# Altium PCB PCB_Incense.PcbDoc (part 2 of 3)
Units mil, origin at the board's own origin, x right, y up, seen from the top; angles counter-clockwise.
Board outline 5905.51 x 4960.63 mil, 2 copper layers (Top Layer, Bottom Layer), stack 61.89 mil thick; 323 components, 237 nets, 1107 pads, 546 vias.
Unrouted connection lines stored in the file: 3.
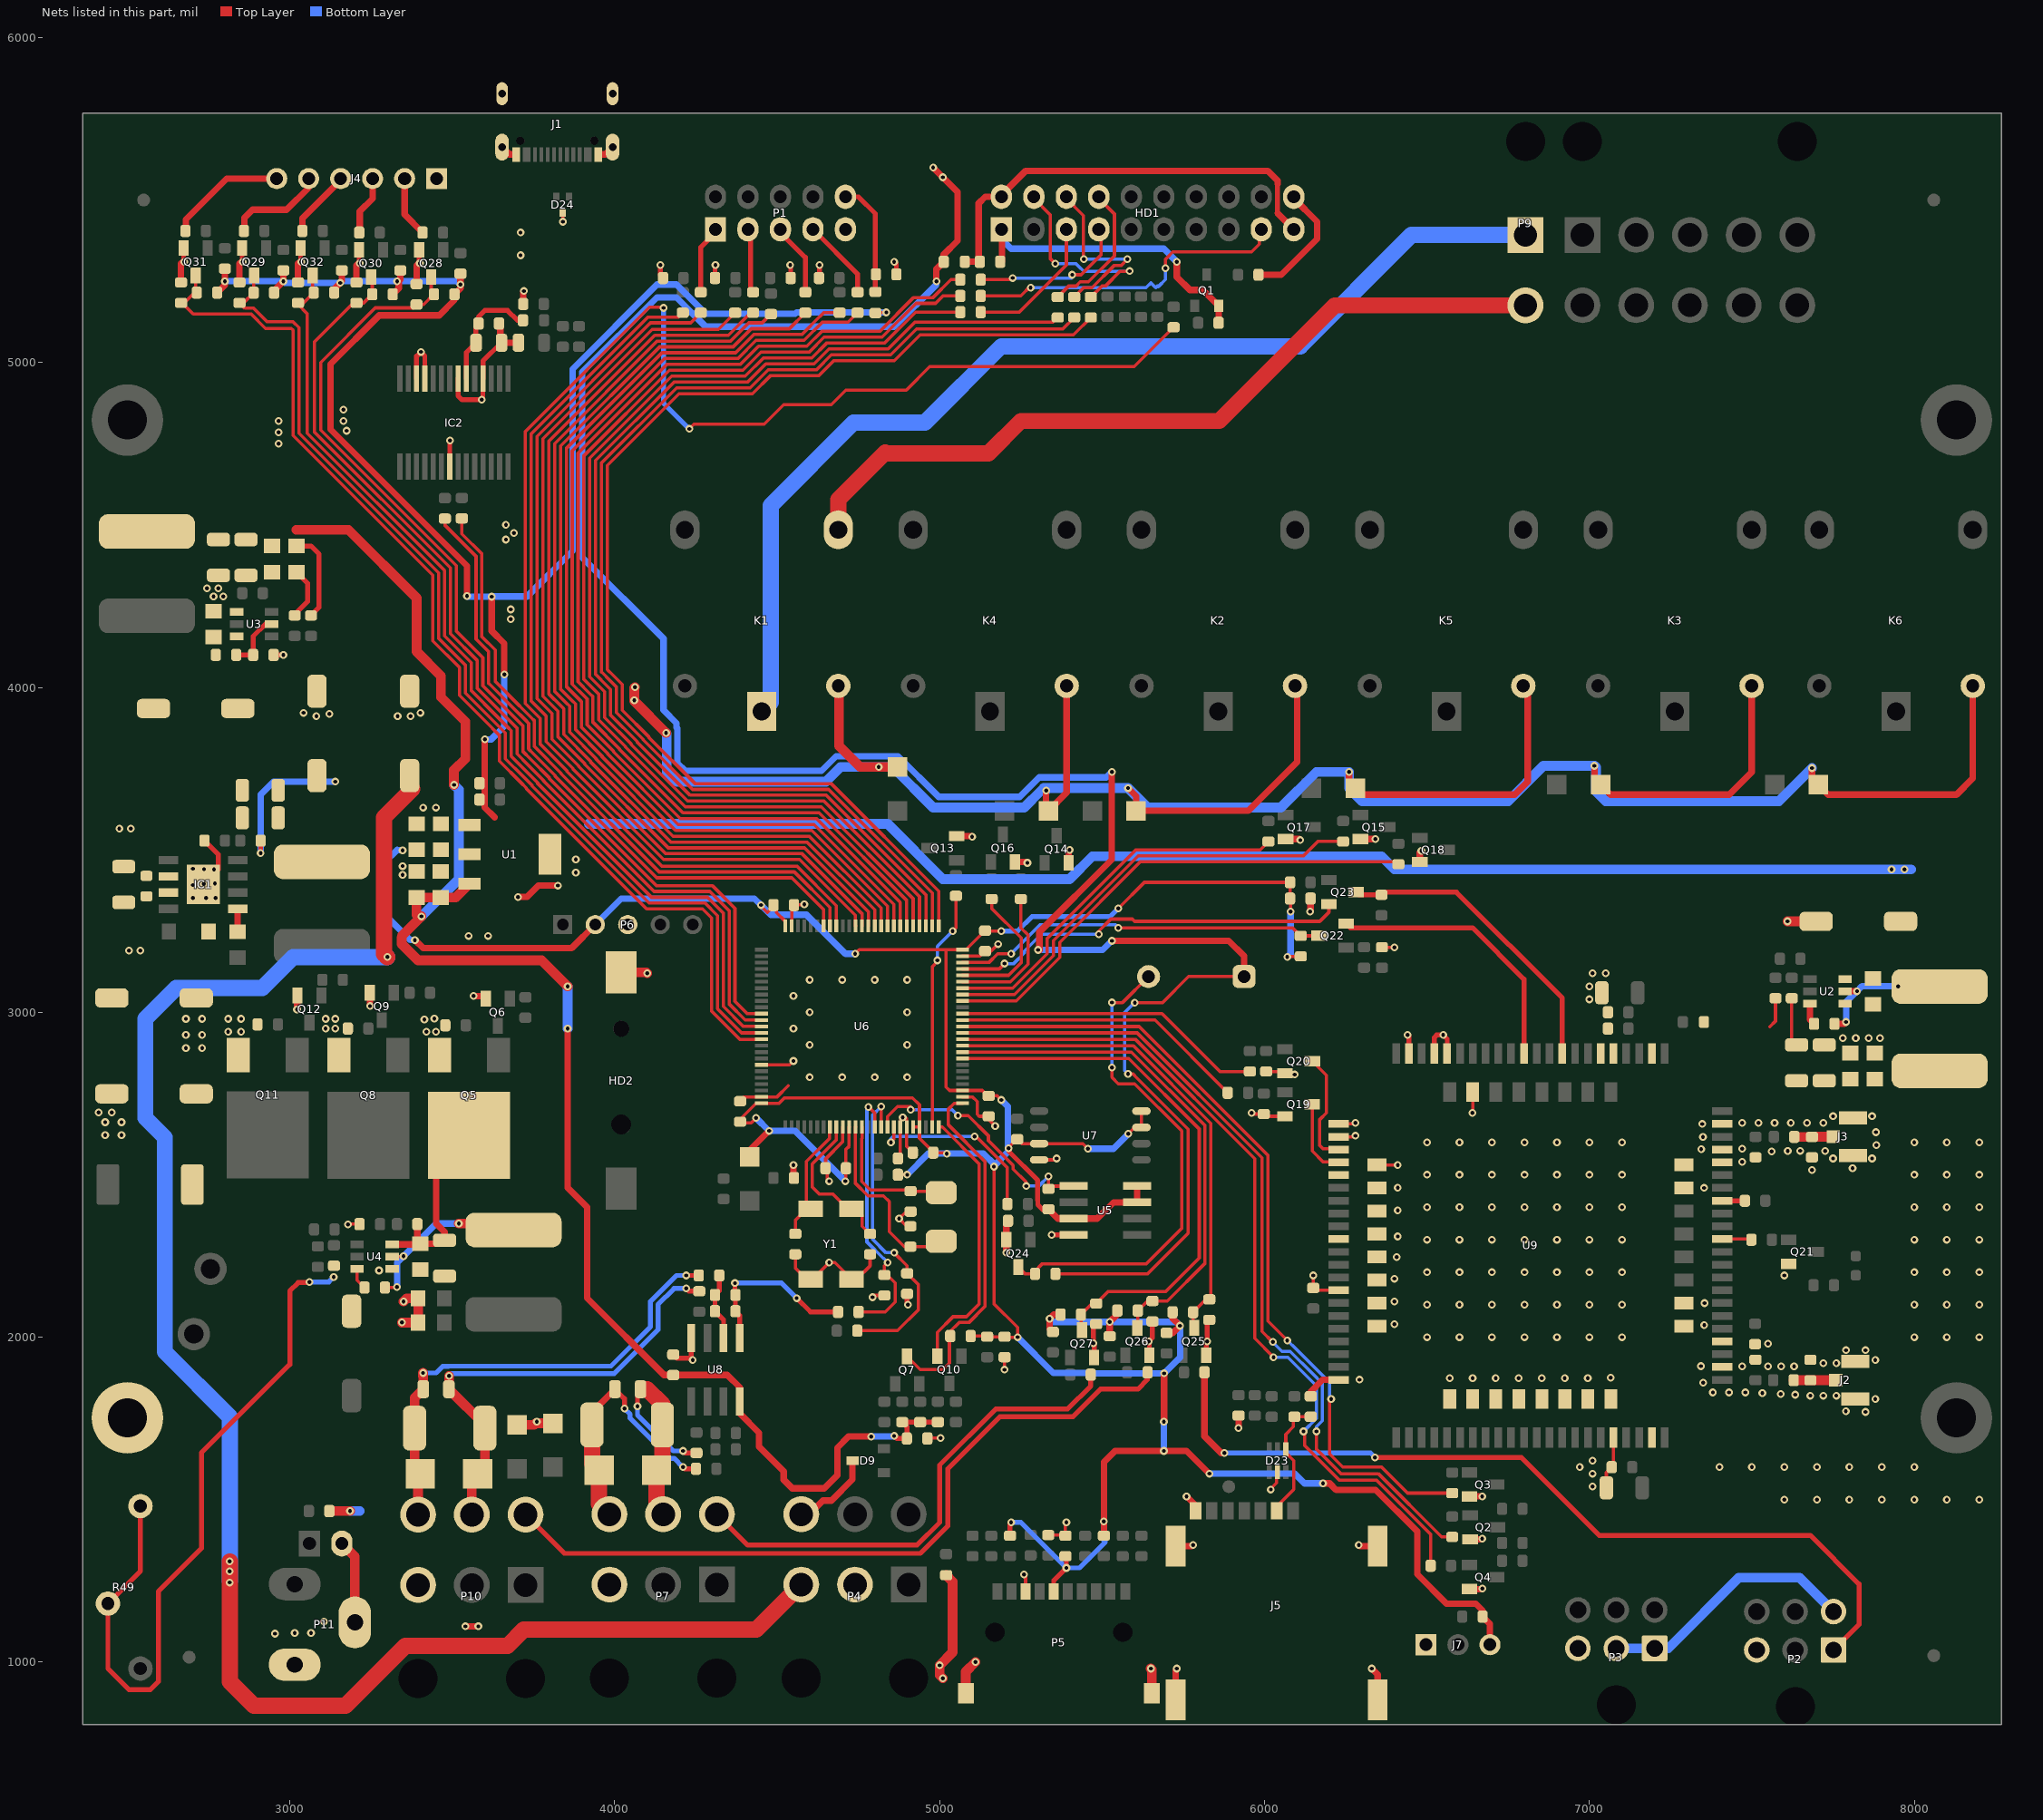
[diagram p2: the nets of this part, all layers, seen from the top]

## Part data (continued)
R99 R103: library part Res0.3, "RES SMD 0 OHM JUMPER 1/10W 0603", MANUFACTURER1=Yageo, MANUFACTURER1_PART#=RC0603JR-070RL, MANUFACTURER2="Stackpole Electronics Inc", MANUFACTURER2_PART#=RMCF0603ZT0R00, Power=0.25W, Tolerance=5%, Category="RES SMD", PACKING="Tape & Reel (TR)", PCB Footprint=0603, Process Type=SM, UNIT=PCS
R127 R128: library part Res0.3, "RES SMD 0.05 OHM 1% 1W 2512", MANUFACTURER1="TE Connectivity Passive Product", MANUFACTURER1_PART#=TLRP3A30CR050FTE, Category="RES SMD", MANUFACTURER2_PART#=https://banlinhkien.com/tro-2512-1-r0500.05r-1w-p6652906.html, PACKING="Tape & Reel (TR)", PCB Footprint=2512, Process Type=SM, UNIT=PCS
TP1: "TEST POINT"
U1: library part LM1117, "LDO, LM1117MPX-3.3V"
U2 U3 U4: library part IC_TPS54302DDCR, "IC REG BUCK ADJ 3A TSOT23-6,TPS54302DDCR", MANUFACTURER1="Texas Instruments", PACKAGE=TSOT23-6, BY=VINFAST_RD, Category=IC, DISTR1=DIGIKEY, DISTR1_PART#=296-46237-1-ND, MANUFACTURER1_PART#=TPS54302DDCR, MFG1="Texas Instruments", MFG1_PART#=TPS54302DDCR, PROCESS=SM, TYPE=IC, VFCODE=TPS54302DDCR
U5: library part "IC Flash W25Q16JVSNIQ QUAD SO8", "IC FRAM 128KBIT SPI 33MHZ 8SOP", MANUFACTURER1=Fujitsu, VOLTAGE="2.7V ~ 3.6V", Category=IC, MANUFACTURER1_PART#=MB85RS128TYPNF-GS-BCERE1, PACKING="Tape & Reel (TR)", PCB Footprint=SO8, Process Type=SM, UNIT=PCS
U6: "IC MCU 32BIT 512KB FLASH 100LQFP", MANUFACTURER1=STMicroelectronics, MANUFACTURER1_PART#=STM32F103VET6
U7: library part "IC Flash W25Q16JVSNIQ QUAD SO8", "IC FLASH 32MBIT SPI/QUAD 8SOIC", MANUFACTURER1="Winbond Electronics", VOLTAGE="2.7V ~ 3.6V", Category=IC, INTERFACE="QUARD SPI", MANUFACTURER1_PART#=W25Q32JVSSIQ, PACKING="Tape & Reel (TR)", PCB Footprint=SO8, Process Type=SM, UNIT=PCS
U8: library part LM358, "IC OPAMP GP 2 CIRCUIT 8SOIC", MANUFACTURER1="Texas Instruments", MANUFACTURER1_PART#=LM358BAIDR, MANUFACTURER2="ON Semiconductor", MANUFACTURER2_PART#=LM358DR2G, Category=IC, UNIT=PCS
U9: library part SIM7600C_L1, "MODULE 4G SIM7600C_L1", MANUFACTURER1=SIMCOM, MANUFACTURER1_PART#=A7600C-L1
Y1: library part XT4_32.768KHZ, "CRYSTAL 32.7680KHZ 12.5PF SMD", Frequency="32.768 kHz", Frequency Tolerance=±20ppm, Load Capacitance=12.5pF, MANUFACTURER1=TDK, MANUFACTURER1_PART#="TKD M8-32.768KHZ-12.5PF-20PPM", Category=CRYSTAL, ESR="65 kOhms", SIZE="0.264\" L x 0.059\" W (6.70mm x 1.50mm)"
Y2: library part XTAL, "CRYSTAL 8.000MHZ 18PF SMD", MANUFACTURER1="Abracon LLC", MANUFACTURER1_PART#=ABM3-8.000MHZ-J4Q-T, LatestRevisionDate=17-Jul-2002, LatestRevisionNote="Re-released for DXP Platform.", MANUFACTURER2_PART#=https://banlinhkien.com/thach-anh-8mhz-smd5032-p6653646.html, PackageDescription="Crystal, Thru-Hole; 2 Leads; Body 3.1 x 8.2 mm (Dia.xH)", PackageReference=R38, Published=8-Jun-2000, Publisher="Altium Limited"

## Free pads (board coordinates)
  round 220 hole 120: 5(2500,4822.83) 6(2500,1751.97) 7(8129.92,1751.97) 8(8129.92,4822.83)
  round 40 smd mask+40: 9(2550,5500) 9(2690,1015) 9(8060,1020) 9(8060,5500)

## Via types
v1: diameter 24, hole 12, Top Layer to Bottom Layer, tented both sides, 546 vias

## Nets (pads, with @x,y where several pads share a name; then routed paths per layer and width w, separated by ;. In a path a pad name is that pad's centre, name@x,y a point inside that pad or via, vN(x,y) a via of type N, cw(c..) or ccw(c..) an arc to the next point about the centre after c; other vN are vias at no path point)
3V3: C17.1 C18.1 C40.2 C60.2 C62.2 C65.1 C68.1 C69.1 C71.2 C73.1 C74.1 D4.1 F2.1 J7.3 P5.4 P6.2 R6.1 R8.1 R10.2 R11.2 R15.2 R22.1 R23.2 R28.1 R30.1 R31.2 R55.1 R56.1 R64.2 R67.1 R68.1 R69.2 R71.2 R73.1 R74.2 R80.1 R81.1 R82.1 R102.1 R104.1 R106.1 R107.1 R108.1 R110.1 U1.2 U1.4 U5.3 U5.7 U5.8 U6.11 U6.21 U6.22 U6.28 U6.50 U6.75 U6.100 U7.3 U7.7 U7.8 | length 17665.9
  Top Layer w10: C74.1@4385.83,2663.26 4389.09,2660 4420,2660 v1(4435,2675) ; C74.1@4385.83,2664.17 4385.83,2670.83 4435.04,2720.04 U6.100@4451.18,2720.04 4505.5,2720.04 4522,2736.54 4916.45,2736.54 4937.99,2715 U6.22@4937.99,2646.61 ; v1(4450,3330) 4450,3326.99 4470,3306.99 4488.5,3325.49 C73.1@4488.5,3330 4497.48,3321.03 4497.48,3307.13 4524.61,3280 U6.75@4524.61,3265.91 ; v1(4710,2480) 4711.5,2481.5 C69.1@4711.5,2520 4711.5,2578.02 4721.46,2587.98 4721.46,2646.47 U6.11@4721.53,2646.54 ; v1(4740,3180) 4752.48,3192.48 5020,3192.48 ; F2.1@4802.36,5152.24 4803.29,5153.17 4834.98,5153.17 v1(4835.91,5154.09) ; R110.1@4871.5,2500 v1(4900,2500) ; U6.21@4918.31,2646.61 U6.22@4937.99,2646.61 ; v1(5021.88,2564.93) 5022.24,2565.29 5022.24,2567.76 5021.95,2568.05 C65.1@4980.32,2568.05 4980.32,2569.68 4937.99,2612.01 U6.22@4937.99,2646.61 ; R55.1@5095.41,2003.49 5144.18,2003.49 R56.1@5146.22,2001.45 5199.95,2001.45 C40.2@5200,2001.49 5201.49,2000 v1(5240,2000) 5240,2030 5167,2103 v1(5167,2524.82) ; v1(5190,2730) 5177.25,2742.75 C62.2@5150.83,2742.75 5147.92,2742.75 5131.27,2759.41 U6.28@5070.47,2759.41 5030.59,2759.41 5020,2770 5020,3192.48 ; v1(5190,3250) 5141.49,3250 C71.2@5140,3251.49 5080.99,3192.48 U6.50@5070.47,3192.48 5020,3192.48 ; v1(5211.82,2581.82) 5211.82,2583.8 5237.34,2609.33 R106.1@5238.74,2609.33 5252.24,2595.83 U7.3@5306.26,2595.83 5440.99,2595.83 v1(5456.71,2580.11) ; v1(5550,3320) 5630,3400 R104.1@6078.5,3400 C60.2@6078.51,3350 6080,3348.51 v1(6080,3310) ; v1(5580.52,2625.86) 5600.48,2645.83 U7.7@5621.22,2645.83 U7.8@5621.22,2695.83 ; v1(6070,3170) 6072.24,3172.24 R102.1@6111.38,3172.24
  Top Layer w15: v1(5211.82,2581.82) 5213.54,2580.1 5213.54,2570.91 5301.8,2482.65 5301.8,2422.83 5302,2422.63 5302,2408.07 5316.56,2393.5 R80.1@5335,2393.5 ; R108.1@5216.74,1388.93 5216.74,1426.74 v1(5220,1430) ; P5.4@5351.18,1217.44 5351.18,1251.18 v1(5390,1290) 5390,1323.09 C68.1@5387.15,1325.94
  Top Layer w20: R68.1@2776.5,5215 2800,5238.5 R71.2@2800,5288.51 ; R30.1@2951.5,5215 2951.5,5221.5 v1(2980,5250) R64.2@2980,5283.51 ; R73.1@3136.5,5215 3136.5,5226.5 v1(3155,5245) 3160,5250 R74.2@3160,5283.51 ; R67.1@3316.5,5210 3335,5228.5 3335,5250 3340,5255 R69.2@3340,5283.51 ; v1(3384.6,3222.27) 3385.68,3222.27 3409.95,3198 3868,3198 P6.2@3940,3270 ; R31.2@3525,5273.51 3525,5228.5 R28.1@3506.5,5210 3506.5,5191.5 3460,5145 3275,5145 3125,4995 3125,4794.35 3545.04,4374.31 v1(3545.04,4281.05) ; v1(3600,3840) 3600,3630 3630,3600 ; v1(3621.35,4279.01) 3621.35,4173.65 3660,4135 v1(3660,4040) ; D4.1@4415,2555 4415,2575 v1(4475,2635) ; R80.1@5335,2393.5 5363.5,2365 U5.3@5412.56,2365 5485,2365 5535,2415 U5.7@5607.44,2415 U5.8@5607.44,2465 ; R23.2@5348.5,2016.23 5338.5,2026.23 v1(5338.5,2056.75) 5351.49,2069.74 R22.1@5372,2069.74 ; R107.1@5505.62,1388.93 5505.62,1615.62 5540,1650 v1(5690,1650) 5760,1650 v1(5830,1580) ; R11.2@5523.5,2003.24 v1(5523.5,2046.75) 5547,2070.25 R8.1@5547,2081.75 ; v1(5690,1740) 5690.89,1740.89 v1(5690.89,1888.77) ; R10.2@5698.5,2013.24 5718.24,2013.24 v1(5740,2035) 5717,2058 R6.1@5717,2076.75 ; v1(6180,1550) 6200,1550 6220,1530 6342.02,1530 6470,1402.02 6470,1270 6560,1180 6650,1180 6671.49,1158.51 R15.2@6671.49,1140 6693.82,1117.67 J7.3@6693.82,1053.58
  Bottom Layer w15: v1(5190,3250) 5240,3250 5285,3295 5525,3295 v1(5550,3320) ; v1(5220,1430) 5250,1430 v1(5390,1290) 5430,1290 5510,1370 5505.47,1374.53 v1(5505.47,1432.64)
  Bottom Layer w20: v1(2800,5250) v1(2980,5250) 2985,5245 v1(3155,5245) 3160,5250 v1(3330,5250) 3515,5250 v1(3525,5240) ; v1(3347,3498.71) 3331.29,3498.71 3330,3500 3290,3460 3290,3302.77 3370.49,3222.27 v1(3384.6,3222.27) ; v1(3545.04,4281.05) 3547.09,4279.01 v1(3621.35,4279.01) 3728.7,4279.01 ; v1(3600,3840) 3620,3840 3660,3880 v1(3660,4040) ; v1@3621.35,4280 3730,4280 ; P6.2@3940,3270 4020,3350 4430,3350 v1(4450,3330) 4480,3300 4590,3300 4710,3180 v1(4740,3180) ; v1(4435,2675) v1(4475,2635) 4555,2635 v1(4710,2480) ; v1(4835.91,5154.09) 4559.46,5154.09 4555.37,5150 4280,5150 4190,5240 4130,5240 3870,4980 3870,4420 3730,4280 ; v1(4900,2500) 4965.29,2565.29 5021.52,2565.29 v1(5021.88,2564.93) ; v1@5022.24,2565.29 5134.71,2565.29 v1@5170,2530 ; v1(5167,2524.82) 5170,2527.82 v1@5170,2530 ; v1(5190,2730) 5210,2710 v1@5210,2580 ; v1(5211.82,2581.82) 5211.05,2581.05 5211.05,2571.05 v1@5170,2530 ; v1(5240,2000) 5350,1890 5470,1890 5471.23,1888.77 v1(5690.89,1888.77) 5740,1937.88 v1(5740,2035) 5728.25,2046.75 v1(5523.5,2046.75) 5348.5,2046.75 v1(5338.5,2056.75) ; v1(5456.71,2580.11) 5535.11,2580.11 5580.52,2625.52 v1(5580.52,2625.86) ; v1(5690,1650) v1(5690,1740) ; v1(5830,1580) 6092.63,1580 6122.63,1550 v1(6180,1550) ; v1(6070,3170) 6080,3180 v1(6080,3310) ; 3728.7,4279.01 3729.01,4279.01 ; 3728.7,4279.01 3728.85,4278.85 3729.01,4279.01 ; 3729.01,4279.01 3730,4280
4G_KEY: Q20.3 U9.3 | length 348.2
  Top Layer w10: Q20.3@6146.93,2849.37 6190,2806.3 6190,2690 6170,2670 6170,2590 6180,2580 6225.08,2580 U9.3@6227.56,2577.52
4G_RST: Q19.3 U9.4 | length 238.9
  Top Layer w10: Q19.3@6146.76,2716.81 6146.76,2573.24 6180,2540 6225.71,2540 U9.4@6227.56,2538.15
4G_RX: Q23.3 R105.2 U9.68 | length 947.1
  Top Layer w15: Q23.3@6282.01,3370 6290.52,3361.49 R105.2@6360,3361.49 6368.01,3369.5 6590.5,3369.5 6916.54,3043.46 U9.68@6916.54,2872.8
4G_TX: Q22.2 U9.71 | length 846.7
  Top Layer w15: Q22.2@6251.38,3272.74 6264.12,3260 6640,3260 6798.43,3101.57 U9.71@6798.43,2872.8
5V0: BU1.1 C15.1 C16.1 C21.1 C22.1 C23.2 C39.1 C75.2 C87.2 C90.1 L3.1 L8.2 R52.1 R54.1 R58.1 R129.2 U1.3 U8.8 | length 12837.9
  Top Layer w10: C75.2@5356.49,2195 5640,2195 5765,2320 5765,2640.46 5607.46,2798 5595.46,2810 v1(5580,2810) ; v1(5600.59,3029.41) 5601.18,3030 5686.52,3030 5766.52,3110 BU1.1@5937,3110
  Top Layer w15: C23.2@3020,4435 3065,4435 3090,4410 3090,4246.49 R129.2@3065,4221.49 ; v1(4860,1696.21) 4868.11,1688.1 C39.1@4899.21,1688.1 4899.21,1724.34 R52.1@4884.93,1738.63 4885.05,1738.5 R54.1@4940,1738.5 4940.13,1738.63 R58.1@4994.54,1738.63
  Top Layer w20: v1(3855,2950) 3855,2460 3915,2400 3915,2120 4151.5,1883.5 C90.1@4180,1883.5 4346.5,1883.5 4385,1845 U8.8@4385,1802.56 4385,1765 4444.25,1705.75 4444.25,1663.22 4520,1587.47 4520,1561.24 4546.24,1535 4645,1535 4685,1575 4685,1660 4719.3,1694.3 v1(4789.51,1694.3) ; v1(4980,5600) v1(5010,5570) 5055.54,5524.46 5055.54,5375 5012.52,5331.98 L3.1@5012.52,5310 4990,5287.48 v1(4990,5250) ; v1@5307,3190.44 5307,3247 5530,3470 v1(5530,3740) ; v1(5530,3220) 5890,3220 5937,3173 BU1.1@5937,3110
  Top Layer w30: 3020,4485 3180,4485 3390,4275 3390,4110 3465,4035 3465,3970 3540,3895 3540,3780 3505,3745 v1(3505,3700) ; U1.3@3552.64,3395.87 3509.96,3353.19 C16.1@3464.75,3353.19 C15.1@3389.75,3353.19 3389.75,3300.25 3395,3295 v1(3405,3295) 3345,3235 3345,3229.34 3344.55,3228.89 3344.55,3210 3394.55,3160 3775,3160 v1(3855,3080)
  Bottom Layer w10: v1(5580,2810) 5570,2820 5570,3000 5595.86,3025.86 5597.04,3025.86 v1(5600.59,3029.41)
  Bottom Layer w20: v1(4789.51,1694.3) 4858.09,1694.3 v1(4860,1696.21) ; v1(4990,5250) 4990,5240 4860,5110 4280,5110 4190,5200 4129.6,5200 3900,4970.4 3900,4400 4150,4150 4150,3930 4190,3890 4190,3876.67 4193,3873.67 4193,3767 4217,3743 4636.33,3743 4681.33,3788 4872,3788 4997,3663 5246.33,3663 5306.33,3723 5513,3723 v1(5530,3740) ; v1(5303,3192.1) 5502.1,3192.1 v1(5530,3220)
  Bottom Layer w30: v1(3405,3295) 3520,3410 3520,3685 v1(3505,3700) ; v1(3855,2950) v1(3855,3080)
  other v1: 2965,4750 2965,4785 3175,4790 2965,4820 3165,4820 3165,4855 3710,5330 3710,5400
5V_EN: R131.2 R132.2 U3.5 | length 181.9
  Top Layer w15: R131.2@2835,4100 R132.2@2887.01,4100 2887.01,4157.01 2925,4195 U3.5@2944.13,4195
5V_USB: C78.2 C79.1 IC2.20 L7.2 | length 363.1
  Top Layer w15: IC2.20@3543.39,4950.86 3543.39,5031.26 C78.2@3572.83,5060.71 3572.83,5111.89 C79.1@3580.71,5119.76 3580.71,5139.29 3580,5140 3600,5160 3670,5160 3700,5130 L7.2@3717.52,5130
8M_IN: C67.1 U6.12 Y2.2 | length 579.7
  Top Layer w10: U6.12@4741.14,2646.61 4740,2645.47 4740,2474.55 4779.24,2435.31 4826.97,2435.31 4845,2417.27 4845,2325 4891.5,2278.5 C67.1@4910,2278.5 4988.3,2278.5 Y2.2@5005,2295.2
8M_OUT: C66.1 U6.13 Y2.1 | length 426.5
  Top Layer w10: U6.13@4760.83,2646.61 4760.83,2611.61 4760,2610.79 4760,2480 4786.69,2453.31 4906.7,2453.31 C66.1@4910.69,2449.32 5000.49,2449.32 Y2.1@5005,2444.8
12V_SYS: C2.2 C3.2 C4.1 C5.1 L1.2 P4.3 R1.2 | length 5997.5
  Top Layer w15: v1(2910,3490) 2910.12,3490.12 R1.2@2910.12,3528.31
  Top Layer w50: v1(2815,1310) v1(2815,1245) 2815,940 2888.98,866.02 3171.02,866.02 3355,1050 3670,1050 3720,1100 4435.59,1100 P4.3@4574.09,1238.5 ; v1(3300,3170) 3290,3180 3290,3600 C4.1@3377.01,3687.01
  Bottom Layer w20: v1(2910,3490) 2910,3670 2950,3710 v1(3140,3710)
  Bottom Layer w50: v1@2815,1250 v1(2815,1279.28) v1(2815,1310) 2815,1755 2615,1955 2615,2615 2555,2675 2555,2980 2650,3075 2915,3075 3010,3170 v1(3300,3170)
32K_IN: C64.1 U6.8 Y1.1 | length 390
  Top Layer w10: C64.1@4555.79,2318.27 4555.79,2359.84 4590.98,2395.04 Y1.1@4602.8,2395.04 4590,2407.83 4590,2540.62 4661.5,2612.11 4661.5,2645.71 U6.8@4662.4,2646.61
32K_OUT: C63.1 U6.9 Y1.4 | length 471.9
  Top Layer w10: U6.9@4682.09,2646.61 4682.09,2607.25 4608,2533.16 4608,2462 4630,2440 4672,2440 4716.97,2395.04 Y1.4@4728.78,2395.04 4740.59,2395.04 4761.18,2374.44 4761.18,2341.47 4784.39,2318.27 C63.1@4785.79,2318.27
+4V_SYS: C12.1 C13.2 C14.2 C33.1 L2.2 L6.1 R3.2 | length 95.3
  Top Layer w10: 7555.11,2955.11 7572.79,2972.79 R3.2@7572.79,3043.11
+24V_SYS: C6.2 C7.2 C8.1 C9.1 C10.1 C11.2 C20.2 C88.1 D1.2 D13.2 D14.2 D15.2 D19.2 D20.2 D21.2 IC1.7 K1.2 K2.2 K3.2 K4.2 K5.2 K6.2 L5.1 P2.4 P3.1 P3.2 P3.3 P7.3 P10.3 Q5.3 Q8.3 Q11.3 R45.1 R57.1 R62.1 R79.2 R131.1 U2.3 U3.3 | length 13987.4
  Top Layer w20: v1(5327.63,3682.37) 5327.63,3627.37 D19.2@5335,3620 5390.98,3675.98 K4.2@5390.98,4004.68 ; v1(5580,3690) 5605,3665 D14.2@5605,3620 5950,3620 6100,3770 K2.2@6100,4010.94 ; v1(6260,3740) 6260,3710 D20.2@6280,3690 6300,3670 6770,3670 6810,3710 6810,3998.19 K5.2@6800,4008.19 ; v1(7015.61,3758.54) 7015.61,3709.39 7030,3695 D15.2@7035,3700 7065,3670 7430,3670 7499.25,3739.25 K3.2@7499.25,4004.68 ; v1(7685.11,3751.72) 7685.11,3709.89 7700,3695 D21.2@7705,3700 7735,3670 8130,3670 8180,3720 K6.2@8180,4004.68
  Top Layer w30: R79.2@3121.49,1465 v1(3185,1465) ; v1(4062.24,4000.77) 4060,3998.53 4060,3958 v1(4158,3860) ; K1.2@4690,3980.29 4690,3820 4755,3755 v1(4812.5,3755) D13.2@4870,3755 ; v1(5010,950) 5000,960 v1(5000,990) 5040,1030 5040,1247.52 L5.1@5020,1267.52
  Bottom Layer w30: v1(3185,1465) 3215,1465 ; 3920,3580 4840,3580 5010,3410 5400,3410 5470,3480 6360,3480 6400,3440 7990,3440 ; v1(4158,3860) 4160,3858 4160,3740 4190,3710 4650,3710 4695,3755 v1(4812.5,3755) 4855,3755 4980,3630 5260,3630 5312.37,3682.37 v1(5327.63,3682.37) ; v1@5320,3690 v1(5580,3690) 5640,3630 6050,3630 6160,3740 v1(6260,3740) 6260,3690 6300,3650 6750,3650 6858.54,3758.54 v1(7015.61,3758.54) 7020,3754.15 7020,3680 7050,3650 7583.39,3650 v1(7685.11,3751.72) ; P3.2@7120.73,1042.45 7242.45,1042.45 7460,1260 7646.66,1260 P2.4@7751.26,1155.4
  other v1: 2680,2890 2730,2890 2680,2930 2730,2930 2810,2940 2850,2940 3420,2940 3450,2940 3110,2950 3140,2950 3413.92,2977.52 2680,2980 2730,2980 2810,2980 2850,2980 3110,2980 3140,2980 3444.58,2980.5 2505,3190 2540,3190 3550,3235 3610,3235 3880,3430 7930,3440 7970,3440 3880,3470 2475,3565 2510,3565 4060,3960
boot: C1.1 IC1.1 | length 70.7
  Top Layer w20: C1.1@2838.62,3248.31 2838.62,3316.54 IC1.1@2840.39,3318.31
COL1: P1.1 R29.2 | length 212.4
  Top Layer w15: R29.2@4264.97,5216.22 4264.97,5354.97 4310,5400 P1.1@4310,5410
COL2: P1.3 R32.2 | length 200.3
  Top Layer w15: P1.3@4410,5410 4417.88,5402.12 4417.88,5224.1 R32.2@4425.77,5216.22
COL3: P1.5 R33.2 | length 225.5
  Top Layer w15: P1.5@4510,5410 4510,5400 4586.57,5323.43 R33.2@4586.57,5216.22
COL4: P1.7 R34.2 | length 250.7
  Top Layer w15: P1.7@4610,5410 4611.21,5408.79 4747.36,5272.64 R34.2@4747.36,5216.22
DGND: C2.1 C3.1 C4.2 C5.2 C6.1 C7.1 C8.2 C9.2 C10.2 C11.1 C12.2 C13.1 C14.1 C15.2 C16.2 C17.2 C18.2 C20.1 C21.2 C22.2 C23.1 C24.1 C25.1 C26.1 C27.1 C28.1 C29.1 C30.1 C31.1 C32.1 C33.2 C34.1 C35.2 C36.1 C37.1 C39.2 C40.1 C41.1 C42.1 C43.1 C44.1 C45.1 C46.2 C47.2 C48.2 C49.2 C50.2 C51.2 C52.2 C53.2 C54.2 C55.2 C56.2 C57.2 C58.2 C59.2 C60.1 C61.1 C62.1 C63.2 C64.2 C65.2 C66.2 C67.2 C68.2 C69.2 C70.1 C71.1 C72.2 C73.2 C74.2 C76.1 C77.1 C78.1 C79.2 C80.2 C82.1 C84.1 C85.2 C86.2 C87.1 C88.2 C90.2 D2.1 D3.2 D8.1 D9.3 D10.1 D23.2 D24.3 D25.2 D26.2 HD1.1 HD2.2 IC1.6 IC1.9 IC2.7 IC2.18 IC2.21 IC2.25 IC2.26 J1.A1_B12 J1.B1_A12 J1.SH1 J1.SH2 J1.SH3 J1.SH4 J2.2 J2.3 J3.2 J3.3 J4.1 J5.C5 J5.Shell J7.1 P1.9 P2.3 P4.2 P4.6 P5.6 P5.9 P5.10 P6.3 P7.6 P10.6 P11.2 P11.3 pad.6 Q1.2 Q2.2 Q3.2 Q4.2 Q6.2 Q9.2 Q12.2 Q13.2 Q14.2 Q15.2 Q16.2 Q17.2 Q18.2 Q19.2 Q20.2 Q21.2 Q24.2 Q25.2 Q26.2 Q27.2 Q28.2 Q29.2 Q30.2 Q31.2 Q32.2 R2.2 R4.2 R26.2 R49.1 R49.3 R51.2 R53.2 R92.2 R94.2 R117.2 R120.2 R123.2 R127.2 R128.2 R130.2 R132.1 U1.1 U2.1 U3.1 U4.1 U5.4 U6.10 U6.19 U6.20 U6.27 U6.49 U6.74 U6.94 U6.99 U7.4 U8.4 U9.1 U9.2 U9.5 U9.10 U9.14 U9.37 U9.40 U9.41 U9.43 U9.57 U9.58 U9.60 U9.61 U9.64 U9.65 U9.77 U9.78 U9.80 U9.81 U9.88 U9.89 U9.90 U9.91 U9.92 U9.93 U9.94 U9.95 U9.96 U9.97 U9.98 U9.99 U9.100 U9.101 U9.102 U9.103 U9.104 U9.105 U9.110 U9.111 U9.118 Y1.2 Y1.3 | length 13724.2
  Top Layer w10: v1(3179.24,2346.79) 3180.36,2347.91 R51.2@3214.49,2347.91 ; v1(3840,5433.14) D24.3@3840,5460 ; C74.2@4385.83,2726.26 4399.3,2739.72 U6.99@4451.18,2739.72 4499.72,2739.72 4533.95,2773.95 ; U6.94@4451.18,2838.15 4538.15,2838.15 v1(4550,2850) ; U6.74@4544.29,3265.91 4545.2,3266.81 4545.2,3323.7 C73.2@4551.49,3330 4560.9,3330 4561.98,3331.07 4583.45,3331.07 v1(4583.45,3332) ; C64.2@4555.79,2255.27 4555.79,2212.81 4590.09,2178.5 Y1.2@4602.8,2178.5 4608.5,2178.5 v1(4660,2230) 4677.28,2230 Y1.3@4728.78,2178.5 4744.86,2178.5 4785.79,2219.42 C63.2@4785.79,2255.27 ; v1(4660,2480) 4653.7,2486.3 4653.7,2514.81 C69.2@4648.51,2520 4649.16,2520.65 4649.16,2548.86 4701.77,2601.48 U6.10@4701.77,2646.61 ; v1(4793.17,2122.93) 4798.75,2128.5 C82.1@4830,2128.5 ; C70.1@4871.5,2550 4878.94,2557.44 U6.19@4878.94,2646.61 4879.84,2647.52 4879.84,2669.84 4886.38,2676.38 v1(4886.38,2676.55) ; v1@4886.46,2676.46 4890,2680 4898.62,2671.38 U6.20@4898.62,2646.61 4898.62,2586.76 C65.2@4917.33,2568.05 ; C67.2@4910,2341.49 4898.51,2341.49 v1(4875,2365) 4896.32,2386.32 C66.2@4910.69,2386.32 ; C39.2@4962.2,1688.1 4964.1,1690 v1(5002.6,1690) ; U6.27@5070.47,2739.41 5101.18,2739.41 5115.83,2724.76 5115.83,2686.26 5122.32,2679.76 C62.1@5150.83,2679.76 5150.83,2669.91 v1(5170.93,2649.8) ; U6.49@5070.47,3172.8 5124.29,3172.8 C71.1@5140,3188.5 5158.5,3188.5 v1(5180,3210) ; v1(5200,1900) C40.1@5200,1938.5 ; v1(5260,1270) 5264.57,1265.43 P5.6@5264.57,1217.44 ; U7.4@5306.26,2545.83 5355.83,2545.83 v1(5360,2550) ; C72.2@5334.28,1390.89 5385.2,1390.89 C68.2@5387.15,1388.93 5387.15,1427.15 v1(5390,1430) ; v1(5960,2690) 5963.22,2686.78 R92.2@5997.64,2686.78 6004.62,2679.81 Q19.2@6062.76,2679.81 ; R94.2@6004.92,2817.88 6057.43,2817.88 Q20.2@6062.93,2812.37 6066.9,2808.4 v1(6093,2808.4) ; v1(6019.22,1531.03) 6019.22,1533.39 6037.13,1551.31 6037.13,1581.69 D23.2@6040,1584.57 ; v1(6150,2190) C53.2@6150,2151.49 6157.05,2144.45 U9.14@6227.56,2144.45 ; U9.2@6227.56,2616.89 6276.89,2616.89 v1(6280,2620) ; U9.1@6227.56,2656.26 6276.26,2656.26 v1(6280,2660) ; U9.88@6345.67,2530.28 6345.94,2530 v1(6410,2530) ; C56.2@6361.38,3200.23 6399.77,3200.23 v1(6400,3200) ; v1(6640,2690) 6640.94,2690.94 U9.118@6640.94,2754.68 ; C47.2@7052.28,1536.5 7052.28,1583.78 C50.2@7068.51,1600 7074.02,1605.51 U9.37@7074.02,1691.69 ; R4.2@7622.79,3043.11 7622.79,2914.72 C12.2@7637.8,2899.72
  Top Layer w15: R49.1@2540,1480 2540,1280 R49.3@2440,1180 2440,980 2505,915 2570,915 2595,940 2595,1217.47 2728,1350.47 2728,1644.19 3000,1916.19 3000,2142.47 3025.8,2168.28 3058.28,2168.28 v1(3060,2170) ; v1@2673,5312 Q31.2@2673,5351.99 ; IC1.9@2733.62,3393.31 v1(2735.3,3394.98) 2780,3439.69 2780,3485.44 R2.2@2737.13,3528.31 ; v1@2853,5312 Q29.2@2853,5351.99 ; R132.1@2950,4100 v1(2980,4100) ; R130.2@3015,4221.49 3015,4225 3055,4265 3055,4320 C23.1@3020,4355 ; v1@3033,5312 Q32.2@3033,5351.99 ; v1@3213,5307 Q30.2@3213,5346.99 ; IC2.26@3389.84,4950.86 3389.84,5018.98 v1(3403.31,5032.45) 3415.43,5020.32 IC2.25@3415.43,4950.86 ; v1@3398,5307 Q28.2@3398,5346.99 ; IC2.7@3492.13,4686.69 3492.13,4758.9 v1(3493.23,4760) ; IC2.21@3517.8,4950.86 3517.8,4897.2 3530,4885 3530.51,4885.51 v1(3590.66,4885.51) 3590.66,4887.95 3594.19,4891.48 3594.19,4958.11 IC2.18@3594.49,4958.41 ; IC2.18@3594.57,4950.86 3594.57,5004.57 3650,5060 C78.1@3650,5062.28 ; C86.2@4000.63,1840 4030,1810.63 v1(4030,1780) ; v1(4140,5300) 4140,5268.5 C31.1@4148.5,5260 ; C90.2@4180,1946.49 4191.49,1935 4235,1935 U8.4@4235,1997.44 ; v1(4210,1600) 4215,1595 R123.2@4250,1595 ; v1(4220,2190) R120.2@4258.51,2190 ; C30.1@4308.5,5260 4308.5,5298.5 v1(4310,5300) ; v1(4540,5300) 4541.5,5298.5 C29.1@4541.5,5260 ; C28.1@4628.5,5260 4630,5261.5 v1(4630,5300) ; v1(4860,5310) 4866.86,5303.14 C32.1@4866.86,5271.34 ; C84.1@4900,2133.5 4900,2104.42 4904.42,2100 v1(4902.21,2100) ; v1(5345,2315) U5.4@5412.56,2315 ; Q27.2@5475.5,1937.75 5475.5,1979.75 v1(5473.5,1981.75) 5473.5,2032.29 C27.1@5481.93,2040.72 ; Q26.2@5645.5,1944.76 5645.5,1984.75 v1(5643.5,1986.75) 5655,1998.25 C26.1@5655,2048.5 ; Q25.2@5820.5,1944.76 5820.5,1983.75 v1(5823.5,1986.75) 5823.5,2047 C25.1@5830,2053.5 ; v1(6440,2930) 6444.09,2925.91 U9.80@6444.09,2872.8 ; U9.78@6522.83,2872.8 6522.83,2922.83 6530,2930 v1(6550,2930) 6562.2,2917.8 U9.77@6562.2,2872.8